# KiCad board nixie_clock_hv.kicad_pcb
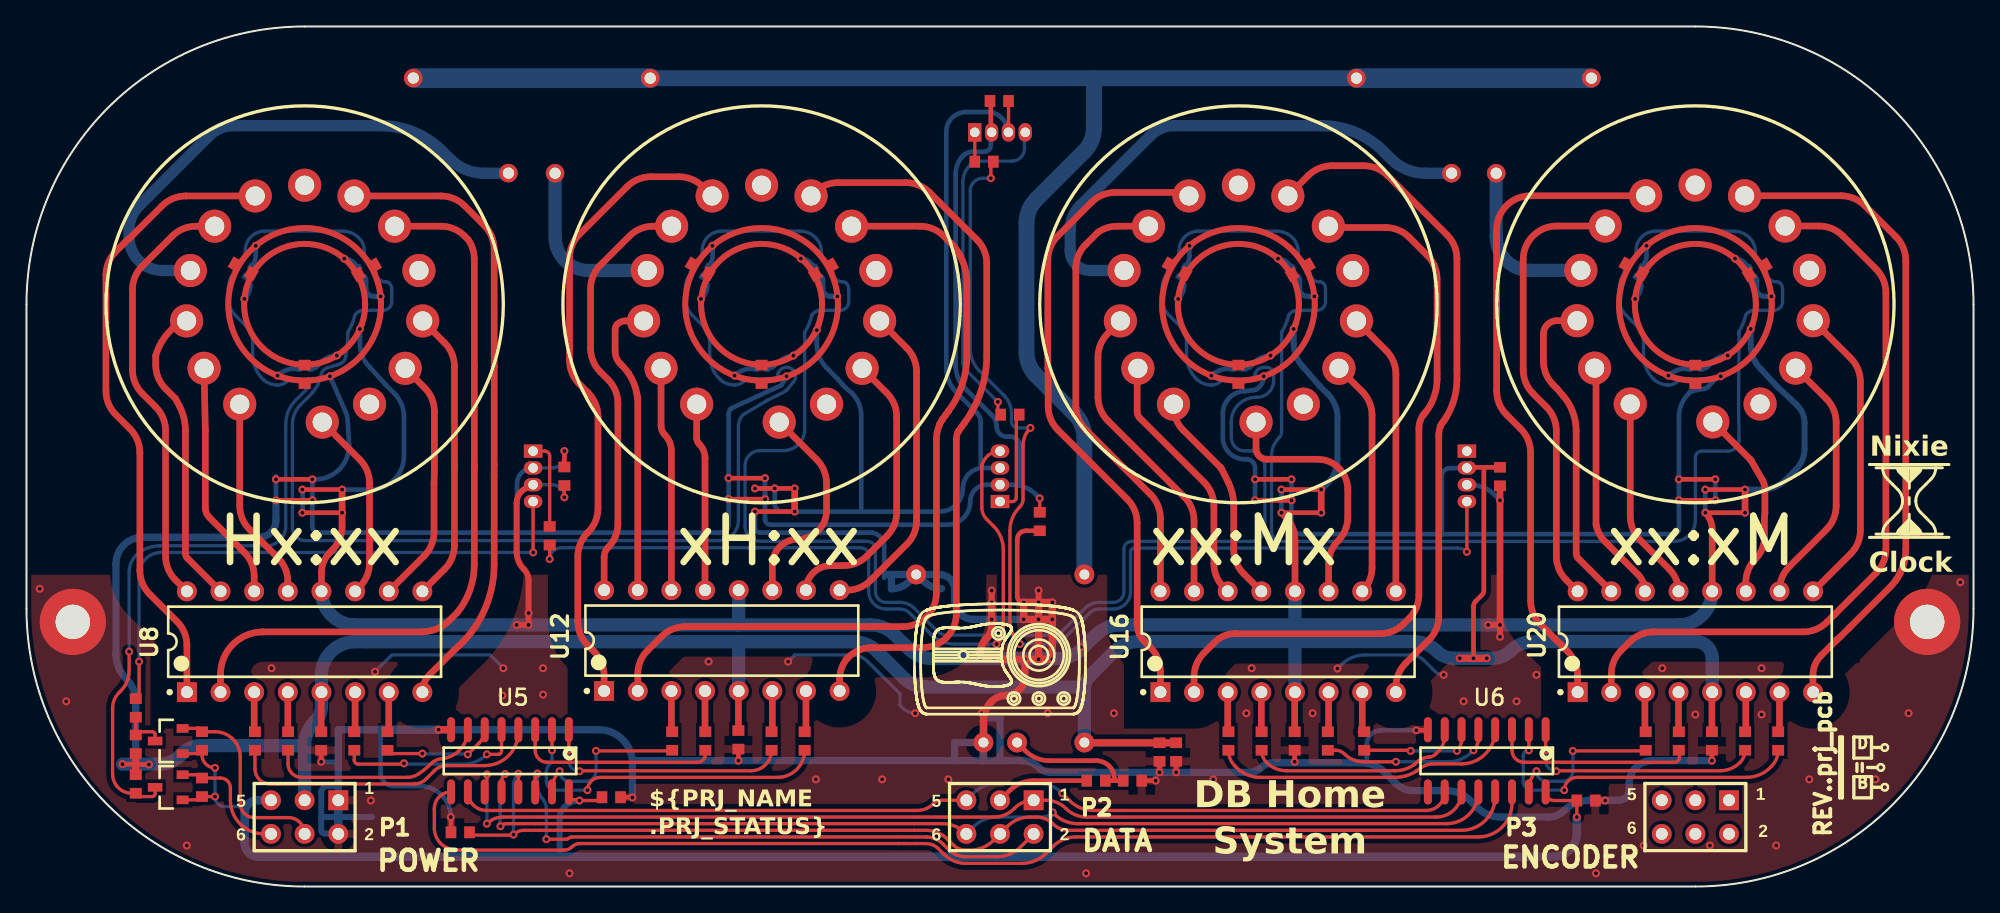
[diagram p0: board, top side]
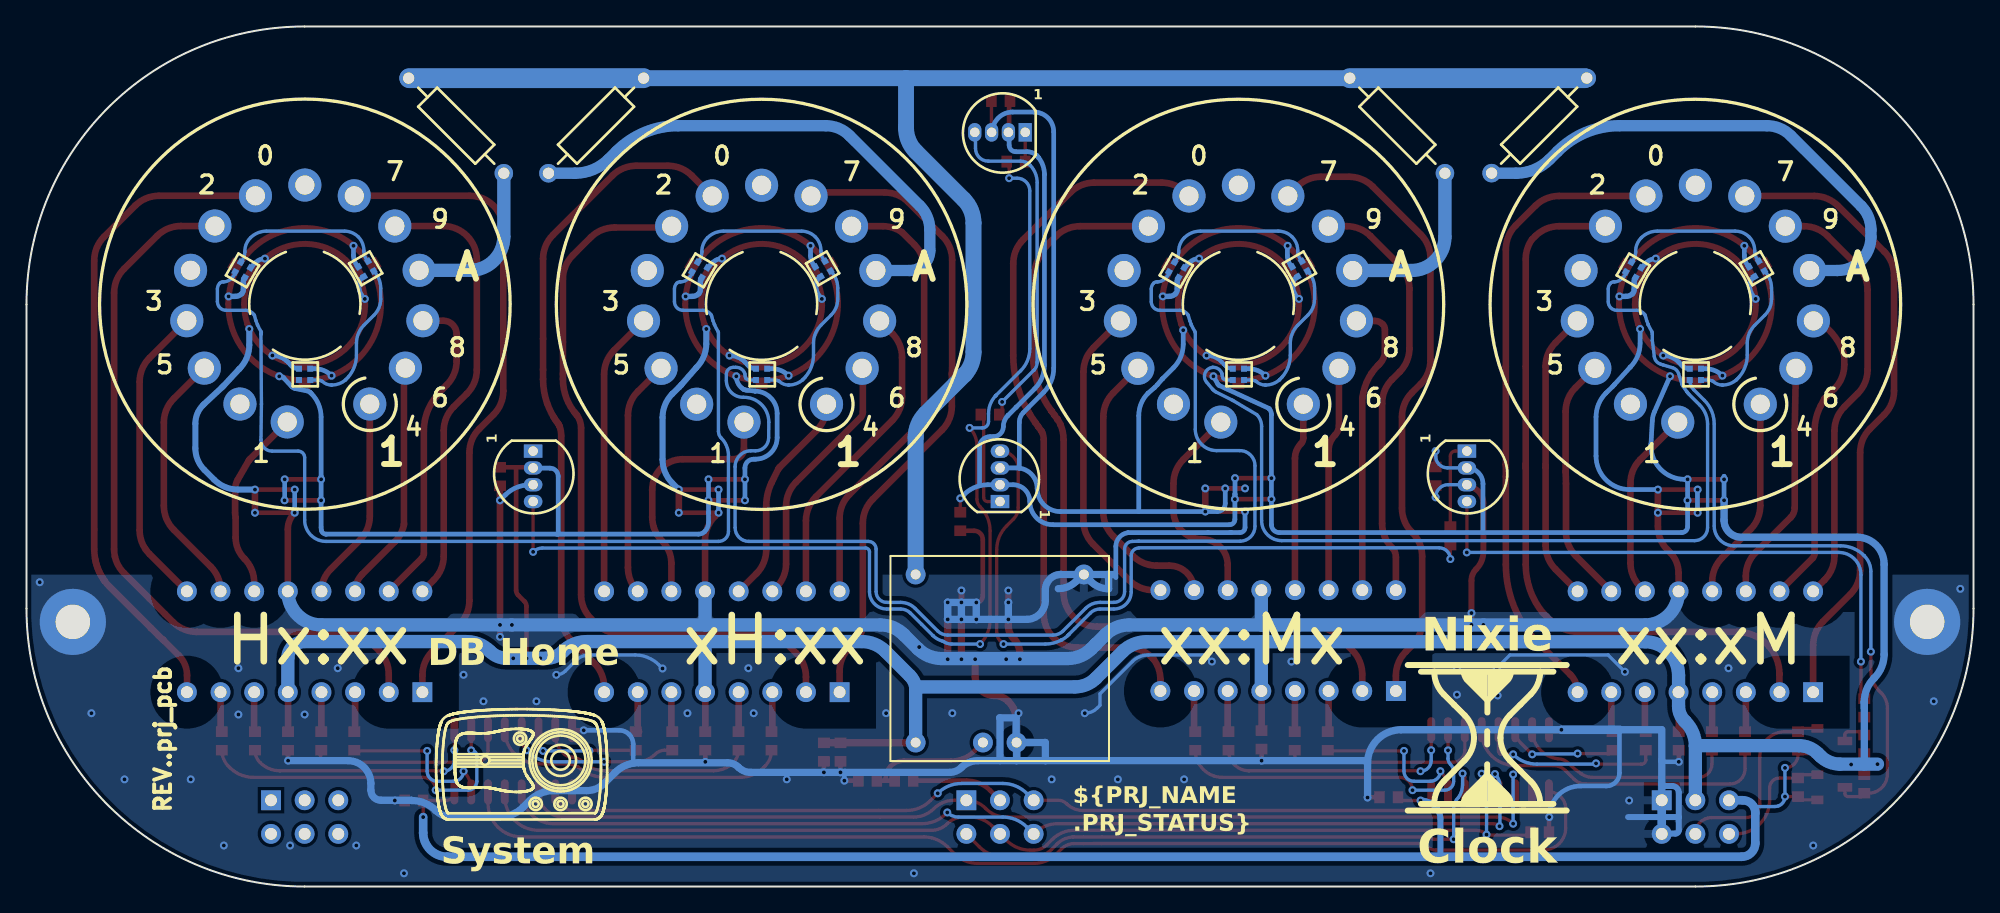
[diagram p1: board, bottom side, seen from below]

Outline 147 x 65 mm; copper layers: Top Layer, In1.Cu, In2.Cu, Bottom Layer. Coordinates in mm from the lower left corner of the outline.
Outline path: 0,44 0,21 ; 0,44 arc(6.15,58.85) 21,65 ; 0,44 arc(6.15,58.85) 21,65 ; 0,44 0,21 ; 0,21 arc(6.15,6.15) 21,0 ; 0,21 arc(6.15,6.15) 21,0 ; 21,65 126,65 ; 21,65 126,65 ; 126,65 arc(140.85,58.85) 147,44 ; 126,65 arc(140.85,58.85) 147,44 ; 21,0 126,0 ; 21,0 126,0 ; 126,0 arc(140.85,6.15) 147,21 ; 126,0 arc(140.85,6.15) 147,21 ; 147,44 147,21 ; 147,44 147,21
Stack: Top Layer 0.035mm / dielectric 0.1mm Core-043 er 4.3 / In1.Cu 0.035mm / dielectric 1.2286mm FR4 er 4.5 / In2.Cu 0.035mm / dielectric 0.1mm FR4 er 4.5 / Bottom Layer 0.035mm

## Placement (name value [footprint] x y rotation side)
C1  100nF  [0603_[1608]]  40.61 31.01 270 top
C2  100nF  [0603_[1608]]  76.5 27.59 270 top
C3  100nF  [0603_[1608]]  73.45 59.37 0 top
C4  100nF  [0603_[1608]]  111.25 30.99 270 top
C5  100nF  [0603_[1608]]  44.15 6.75 180 top
C6  100nF  [0603_[1608]]  117.75 6.5 180 top
C7  10uF  [0603_[1608]]  86.8 10.16 90 top
C8  100nF  [0603_[1608]]  85.55 10.16 90 top
C9  100nF  [0603_[1608]]  22.25 11 90 top
C10  100nF  [0603_[1608]]  25.67 46.61 30 top
C11  100nF  [0603_[1608]]  16.37 46.68 150 top
C12  100nF  [0603_[1608]]  21 38.71 270 top
C13  100nF  [0603_[1608]]  53.75 11.09 90 top
C14  100nF  [0603_[1608]]  60.17 46.61 30 top
C15  100nF  [0603_[1608]]  50.87 46.68 150 top
C16  100nF  [0603_[1608]]  55.5 38.71 270 top
C17  100nF  [0603_[1608]]  95.75 11 90 top
C18  100nF  [0603_[1608]]  96.17 46.61 30 top
C19  100nF  [0603_[1608]]  86.87 46.68 150 top
C20  100nF  [0603_[1608]]  91.5 38.71 270 top
C21  100nF  [0603_[1608]]  127.25 11 90 top
C22  100nF  [0603_[1608]]  130.67 46.61 30 top
C23  100nF  [0603_[1608]]  121.37 46.68 150 top
C24  100nF  [0603_[1608]]  126 38.71 270 top
J3_ xx:xM_Hx:xx  NIXIE_TUBE_SOCKET_14PIN_31MM_THD  [SOCKET_NIXI_TUBE]  21 44 180 bottom
J3_ xx:xM_xH:xx  NIXIE_TUBE_SOCKET_14PIN_31MM_THD  [SOCKET_NIXI_TUBE]  55.5 44 180 bottom
J3_ xx:xM_xx:Mx  NIXIE_TUBE_SOCKET_14PIN_31MM_THD  [SOCKET_NIXI_TUBE]  91.5 44 180 bottom
J3_ xx:xM_xx:xM  NIXIE_TUBE_SOCKET_14PIN_31MM_THD  [SOCKET_NIXI_TUBE]  125.98 44.01 180 bottom
NOREF  -  [unnamed]  3.5 20 0 top
NOREF#2  -  [unnamed#2]  21 62.5 0 top
NOREF#3  -  [unnamed#2]  126 62.5 0 top
NOREF#4  -  [unnamed]  143.5 20 0 top
P1  POWER  [HEADER_2X3_2.54MM_THD]  21 5.25 180 top
P2  DATA  [HEADER_2X3_2.54MM_THD]  73.5 5.25 180 top
P3  ENCODER  [HEADER_2X3_2.54MM_THD]  126 5.25 180 top
Q1  BSS138  [SOT-23]  10.75 11 180 top
Q2  BSS138  [SOT-23]  10.75 7.5 180 top
R1  10k  [0603_[1608]]  13.25 11 90 top
R2  10k  [0603_[1608]]  8.25 10.75 90 top
R3  75R  [0603_[1608]]  39.5 26.51 270 top
R4  75R  [0603_[1608]]  74.25 35.66 180 top
R5  75R  [0603_[1608]]  72.3 54.78 0 top
R6  75R  [0603_[1608]]  8.25 13.5 270 top
R7  10k  [0603_[1608]]  13.25 7.5 90 top
R8  10k  [0603_[1608]]  8.25 7.75 270 top
R9  1k  [0603_[1608]]  48.75 11 270 top
R10  1k  [0603_[1608]]  56.25 11 270 top
R11  1k  [0603_[1608]]  58.75 11 270 top
R12  1k  [0603_[1608]]  51.25 11 270 top
R13  10k  [0603_[1608]]  32.75 4.1 180 top
R14  1k  [0603_[1608]]  17.25 11 270 top
R15  1k  [0603_[1608]]  24.75 11 270 top
R16  1k  [0603_[1608]]  27.25 11 270 top
R17  1k  [0603_[1608]]  19.75 11 270 top
R18  1k  [0603_[1608]]  122.25 11 270 top
R19  1k  [0603_[1608]]  129.75 11 270 top
R20  1k  [0603_[1608]]  132.25 11 270 top
R21  1k  [0603_[1608]]  124.75 11 270 top
R22  1k  [0603_[1608]]  90.75 11 270 top
R23  1k  [0603_[1608]]  98.25 11 270 top
R24  1k  [0603_[1608]]  101 11 270 top
R25  1k  [0603_[1608]]  93.25 11 270 top
R26  10k  [0603_[1608]]  83.5 8 180 top
R27  22k  [AXIAL 10mm]  32.79 57.51 135 bottom
R28  22k  [AXIAL 10mm]  43.5 57.5 45 bottom
R29  22k  [AXIAL 10mm]  104 57.5 135 bottom
R30  22k  [AXIAL 10mm]  114.55 57.5 45 bottom
R31  33R  [0603_[1608]]  80.75 8 180 top
U1  WS2812D  [R5_RGB_LED_THD]  38.25 31 90 bottom
U2  WS2812D  [R5_RGB_LED_THD]  73.5 31 270 bottom
U3  WS2812D  [R5_RGB_LED_THD]  73.5 57 180 bottom
U4  WS2812D  [R5_RGB_LED_THD]  108.75 31 90 bottom
U5  SN74HC595D  [soic16]  36.5 9.5 270 top
U6  SN74HC595D  [soic16]  110.25 9.5 270 top
U7  BootModule_3-9V_170V  [BOOSTMODULE]  73.52 17.23 90 bottom
U8  K155ID1  [DIP-16_THD]  21 18.5 90 top
U9  WS2812  [LED_PLCC_RGB_4P_1010]  21 38.71 270 bottom
U10  WS2812  [LED_PLCC_RGB_4P_1010]  16.37 46.68 150 bottom
U11  WS2812  [LED_PLCC_RGB_4P_1010]  25.67 46.61 30 bottom
U12  K155ID1  [DIP-16_THD]  52.5 18.59 90 top
U13  WS2812  [LED_PLCC_RGB_4P_1010]  55.5 38.71 270 bottom
U14  WS2812  [LED_PLCC_RGB_4P_1010]  50.87 46.68 150 bottom
U15  WS2812  [LED_PLCC_RGB_4P_1010]  60.17 46.61 30 bottom
U16  K155ID1  [DIP-16_THD]  94.5 18.5 90 top
U17  WS2812  [LED_PLCC_RGB_4P_1010]  91.5 38.71 270 bottom
U18  WS2812  [LED_PLCC_RGB_4P_1010]  86.87 46.68 150 bottom
U19  WS2812  [LED_PLCC_RGB_4P_1010]  96.17 46.61 30 bottom
U20  K155ID1  [DIP-16_THD]  126 18.5 90 top
U21  WS2812  [LED_PLCC_RGB_4P_1010]  126 38.71 270 bottom
U22  WS2812  [LED_PLCC_RGB_4P_1010]  121.37 46.68 150 bottom
U23  WS2812  [LED_PLCC_RGB_4P_1010]  130.67 46.61 30 bottom

## Footprints (pads in the part's own frame, mm; a bottom-side part is the same pattern mirrored in y, then rotated)
0603_[1608]
  rect 0.8x0.9 smd: 1(-0.7,0) 2(0.7,0)
AXIAL 10mm
  round 1.4 hole 0.85: 1(-5.08,0) 2(5.08,0)
BOOSTMODULE
  round 1.5 hole 0.75: 1(-6.35,6.35) 2(-6.35,1.27) 3(-6.35,-1.27) 4(6.35,-6.35) 5(6.35,6.35)
DIP-16_THD
  rect 1.5x1.5 hole 0.9: 1(-3.81,8.89)
  round 1.5 hole 0.9: 2(-3.81,6.35) 3(-3.81,3.81) 4(-3.81,1.27) 5(-3.81,-1.27) 6(-3.81,-3.81) 7(-3.81,-6.35) 8(-3.81,-8.89) 9(3.81,-8.89) 10(3.81,-6.35) 11(3.81,-3.81) 12(3.81,-1.27) 13(3.81,1.27) 14(3.81,3.81) 15(3.81,6.35) 16(3.81,8.89)
HEADER_2X3_2.54MM_THD
  rect 1.5x1.5 hole 0.9: 1(-2.54,-1.27)
  round 1.5 hole 0.9: 2(-2.54,1.27) 3(0,-1.27) 4(0,1.27) 5(2.54,-1.27) 6(2.54,1.27)
LED_PLCC_RGB_4P_1010
  rect 0.45x0.45 smd: 1(-0.425,0.425) 2(0.425,0.425) 3(-0.425,-0.425) 4(0.425,-0.425)
R5_RGB_LED_THD
  rect 1x1.4 hole 0.72: 1(1.905,0)
  oval 1x1.4 hole 0.72: 2(0.635,0) 3(-0.635,0) 4(-1.905,0)
SOCKET_NIXI_TUBE
  round 0.001 hole 7 unplated: (0,0)
  round 2.5 hole 1.45: 1(4.902,-7.548) 2(7.591,-4.836) 3(8.912,-1.253) 4(8.629,2.556) 5(6.792,5.905) 6(3.732,8.19) 7(0,9) 8(-3.732,8.19) 9(-6.792,5.905) 10(-8.629,2.556) 11(-8.912,-1.253) 12(-7.591,-4.836) 13(-4.902,-7.548) 14(-1.33,-8.901)
soic16
  oval 1.9x0.6 smd: 1(-2.35,4.445) 2(-2.35,3.175) 3(-2.35,1.905) 4(-2.35,0.635) 5(-2.35,-0.635) 6(-2.35,-1.905) 7(-2.35,-3.175) 8(-2.35,-4.445) 9(2.35,-4.445) 10(2.35,-3.175) 11(2.35,-1.905) 12(2.35,-0.635) 13(2.35,0.635) 14(2.35,1.905) 15(2.35,3.175) 16(2.35,4.445)
SOT-23
  rect 0.9x0.65 smd: 1(-1.038,0.95) 2(-1.038,-0.95)
  rect 1.1x0.65 smd: 3(1.038,0)
unnamed
  round 5 hole 2.6: hole(0,0)
unnamed#2
  round 0.001 hole 2.6: hole(0,0)

## Nets
+3.3V: C5.2 C6.2 P1.5 Q1.1 Q2.1 R1.1 R7.1 U5.16 U6.16
+5V: C1.1 C2.1 C3.1 C4.1 C7.2 C8.2 C9.2 C10.2 C11.2 C12.2 C13.2 C14.2 C15.2 C16.2 C17.2 C18.2 C19.2 C20.2 C21.2 C22.2 C23.2 C24.2 P1.3 R2.1 R8.1 U1.2 U2.2 U3.2 U4.2 U7.1 U8.5 U9.1 U10.1 U11.1 U12.5 U13.1 U14.1 U15.1 U16.5 U17.1 U18.1 U19.1 U20.5 U21.1 U22.1 U23.1
GND: C1.2 C2.2 C3.2 C4.2 C5.1 C6.1 C7.1 C8.1 C9.1 C10.1 C11.1 C12.1 C13.1 C14.1 C15.1 C16.1 C17.1 C18.1 C19.1 C20.1 C21.1 C22.1 C23.1 C24.1 NOREF.hole NOREF#4.hole P1.1 P1.2 R13.2 R26.1 U1.3 U2.3 U3.3 U4.3 U5.8 U6.8 U7.3 U7.4 U8.12 U9.3 U10.3 U11.3 U12.12 U13.3 U14.3 U15.3 U16.12 U17.3 U18.3 U19.3 U20.12 U21.3 U22.3 U23.3
A_Hx:xx: R14.1 U8.3
A_xH:xx: R9.1 U12.3
A_xx:Mx: R22.1 U16.3
A_xx:xM: R18.1 U20.3
B_Hx:xx: R15.1 U8.6
B_xH:xx: R10.1 U12.6
B_xx:Mx: R23.1 U16.6
B_xx:xM: R19.1 U20.6
BACK_LIGHT_DATA: P1.6 Q2.2 R7.2
C_Hx:xx: R16.1 U8.7
C_xH:xx: R11.1 U12.7
C_xx:Mx: R24.1 U16.7
C_xx:xM: R20.1 U20.7
D0_Hx:xx: J3_ xx:xM_Hx:xx.8 U8.8
D0_xH:xx: J3_ xx:xM_xH:xx.8 U12.8
D0_xx:Mx: J3_ xx:xM_xx:Mx.8 U16.8
D0_xx:xM: J3_ xx:xM_xx:xM.8 U20.8
D1_Hx:xx: J3_ xx:xM_Hx:xx.3 U8.15
D1_xH:xx: J3_ xx:xM_xH:xx.3 U12.15
D1_xx:Mx: J3_ xx:xM_xx:Mx.3 U16.15
D1_xx:xM: J3_ xx:xM_xx:xM.3 U20.15
D2_Hx:xx: J3_ xx:xM_Hx:xx.14 U8.11
D2_xH:xx: J3_ xx:xM_xH:xx.14 U12.11
D2_xx:Mx: J3_ xx:xM_xx:Mx.14 U16.11
D2_xx:xM: J3_ xx:xM_xx:xM.14 U20.11
D3_Hx:xx: J3_ xx:xM_Hx:xx.11 U8.9
D3_xH:xx: J3_ xx:xM_xH:xx.11 U12.9
D3_xx:Mx: J3_ xx:xM_xx:Mx.11 U16.9
D3_xx:xM: J3_ xx:xM_xx:xM.11 U20.9
D4_Hx:xx: J3_ xx:xM_Hx:xx.1 U8.13
D4_xH:xx: J3_ xx:xM_xH:xx.1 U12.13
D4_xx:Mx: J3_ xx:xM_xx:Mx.1 U16.13
D4_xx:xM: J3_ xx:xM_xx:xM.1 U20.13
D5_Hx:xx: J3_ xx:xM_Hx:xx.12 U8.10
D5_xH:xx: J3_ xx:xM_xH:xx.12 U12.10
D5_xx:Mx: J3_ xx:xM_xx:Mx.12 U16.10
D5_xx:xM: J3_ xx:xM_xx:xM.12 U20.10
D6_Hx:xx: J3_ xx:xM_Hx:xx.2 U8.14
D6_xH:xx: J3_ xx:xM_xH:xx.2 U12.14
D6_xx:Mx: J3_ xx:xM_xx:Mx.2 U16.14
D6_xx:xM: J3_ xx:xM_xx:xM.2 U20.14
D7_Hx:xx: J3_ xx:xM_Hx:xx.6 U8.1
D7_xH:xx: J3_ xx:xM_xH:xx.6 U12.1
D7_xx:Mx: J3_ xx:xM_xx:Mx.6 U16.1
D7_xx:xM: J3_ xx:xM_xx:xM.6 U20.1
D8_Hx:xx: J3_ xx:xM_Hx:xx.9 U8.2
D8_xH:xx: J3_ xx:xM_xH:xx.9 U12.2
D8_xx:Mx: J3_ xx:xM_xx:Mx.9 U16.2
D8_xx:xM: J3_ xx:xM_xx:xM.9 U20.2
D9_Hx:xx: J3_ xx:xM_Hx:xx.5 U8.16
D9_xH:xx: J3_ xx:xM_xH:xx.5 U12.16
D9_xx:Mx: J3_ xx:xM_xx:Mx.5 U16.16
D9_xx:xM: J3_ xx:xM_xx:xM.5 U20.16
D_Hx:xx: R17.1 U8.4
D_xH:xx: R12.1 U12.4
D_xx:Mx: R25.1 U16.4
D_xx:xM: R21.1 U20.4
FRONT_LIGHT_DATA: P1.4 Q1.2 R1.2
HV: R27.2 R28.2 R29.2 R30.2 U7.5
HV_ENABLE: R26.2 R31.1 U7.2
LED_DATA_OUT_Hx:xx: U11.2 U13.4
LED_DATA_OUT_xH:xx: U15.2 U17.4
LED_DATA_OUT_xx:Mx: U19.2 U23.2
NetJ3_ xx:xM_Hx:xx_4: J3_ xx:xM_Hx:xx.4 R27.1
NetJ3_ xx:xM_xH:xx_4: J3_ xx:xM_xH:xx.4 R28.1
NetJ3_ xx:xM_xx:Mx_4: J3_ xx:xM_xx:Mx.4 R29.1
NetJ3_ xx:xM_xx:xM_4: J3_ xx:xM_xx:xM.4 R30.1
NetP2_3: P2.3 R31.2
NetQ1_3: Q1.3 R2.2 R6.2
NetQ2_3: Q2.3 R8.2 U9.4
NetR3_1: R3.1 U1.1
NetR3_2: R3.2 U2.4
NetR4_1: R4.1 U2.1
NetR4_2: R4.2 U3.4
NetR5_1: R5.1 U3.1
NetR5_2: R5.2 U4.4
NetR6_1: R6.1 U1.4
NetR9_2: R9.2 U5.15
NetR10_2: R10.2 U5.1
NetR11_2: R11.2 U5.2
NetR12_2: R12.2 U5.3
NetR14_2: R14.2 U5.4
NetR15_2: R15.2 U5.5
NetR16_2: R16.2 U5.6
NetR17_2: R17.2 U5.7
NetR18_2: R18.2 U6.15
NetR19_2: R19.2 U6.1
NetR20_2: R20.2 U6.2
NetR21_2: R21.2 U6.3
NetR22_2: R22.2 U6.4
NetR23_2: R23.2 U6.5
NetR24_2: R24.2 U6.6
NetR25_2: R25.2 U6.7
NetU5_9: U5.9 U6.14
NetU9_2: U9.2 U10.4
NetU10_2: U10.2 U11.4
NetU13_2: U13.2 U14.4
NetU14_2: U14.2 U15.4
NetU17_2: U17.2 U18.4
NetU18_2: U18.2 U19.4
NetU21_2: U21.2 U22.4
NetU21_4: U21.4
NetU22_2: U22.2 U23.4
SIPO_CLK: P2.1 U5.11 U6.11
SIPO_CLR: P2.5 U5.10 U6.10
SIPO_DATA: P2.2 U5.14
SIPO_OE: P2.4 R13.1 U5.13 U6.13
SIPO_RCLK: P2.6 U5.12 U6.12

Pads without a net: J3_ xx:xM_Hx:xx 7 10 13; J3_ xx:xM_xH:xx 7 10 13; J3_ xx:xM_xx:Mx 7 10 13; J3_ xx:xM_xx:xM 7 10 13; NOREF#2 hole; NOREF#3 hole; P3 1 2 3 4 5 6; U4 1; U6 9

## Via types
v1: diameter 0.6, hole 0.3, Top Layer to Bottom Layer, 194 vias

## Routing (per net, layer and track width the routed paths; a pad name or vN(x,y) marks a point on that pad's centre or on a via; arc(x,y) is an arc through that point)
+3.3V: length 130.3
  Top Layer w0.25: Q1.1 13,10.05 ; v1(117.05,5.25) C6.2 115.35,6.5 arc(114.89,6.69) U6.16 ; 43.3,6.5 v1(41.75,6.5) 41.69,6.56 41.11,6.56 40.95,6.72 U5.16 ; R7.1 v1(14.23,6.8) ; Q2.1 13,6.55 ; R1.1 13.25,9.95 arc(13.54,9.26) v1(14.23,8.97)
  Bottom Layer w0.25: v1(14.23,8.97) v1(14.23,6.8) arc(14.37,6.37) 14.74,6.09 arc(14.86,6.06) 14.99,6.05 16.48,6.05
  Bottom Layer w0.45: 40.25,2.25 40.25,5.13 arc(40.34,5.6) 40.61,6 40.66,6.05 arc(41.16,6.38) v1(41.75,6.5)
  Bottom Layer w0.65: P1.5 17.42,6.52 arc(16.75,6.24) 16.48,5.58 16.48,3.27 arc(16.78,2.55) 17.5,2.25 115.24,2.25 arc(116.52,2.78) 117.05,4.06 v1(117.05,5.25)
+5V: length 612.2
  Top Layer w0.25: C2.1 v1(76.5,29.34)
  Top Layer w0.35: v1(124.76,29.19) 127.48,29.19 ; 53.04,30.86 v1(55.76,30.86) ; v1(18.84,29.19) 21.56,29.19 ; C20.2 91.5,38.24 ; 92.79,30.78 v1(95.51,30.78) ; 72.81,57 72.81,59.3 arc(72.79,59.35) C3.1 ; v1(9.24,9.22) 8.24,9.22 ; 124.79,30.78 v1(127.51,30.78) ; v1(92.76,29.19) 95.48,29.19 ; 110.03,31.68 108.81,31.68 arc(108.77,31.67) 108.75,31.62 ; 110.03,31.68 110.03,22.37 arc(110,22.2) 109.9,22.05 109.41,21.56 arc(109.29,21.38) 109.25,21.17 v1(109.25,17.25) ; 110.03,31.68 C4.1 ; C12.2 21,38.24 ; v1(53.01,29.28) 55.73,29.28 ; v1(40.61,32.91) C1.1 arc(40.54,31.66) 40.45,31.64 ; C16.2 55.5,38.24 ; v1(7.25,9.25) 8.25,9.25 ; 18.87,30.78 v1(21.59,30.78) ; C24.2 126,38.24
  Top Layer w0.45: 55.5,38.24 arc(51.42,48.08) 61.26,44 arc(59.58,39.92) 55.5,38.24 ; 26.76,44 arc(25.08,39.92) 21,38.24 arc(16.92,48.08) 26.76,44 ; 131.76,44 arc(130.08,39.92) 126,38.24 arc(121.92,48.08) 131.76,44 ; 97.26,44 arc(95.58,39.92) 91.5,38.24 arc(87.42,48.08) 97.26,44
  Top Layer w0.5: C13.2 53.75,14.73 arc(53.76,14.76) U12.5 ; C9.2 22.25,14.64 arc(22.26,14.67) U8.5 ; C17.2 95.75,14.64 arc(95.76,14.67) U16.5 ; C21.2 127.25,14.64 arc(127.26,14.67) U20.5
  Top Layer w0.55: v1(108.21,17.25) v1(109.25,17.25) v1(110.25,17.25) ; C7.2 C8.2 79.89,10.86 ; R8.1 R2.1
  Bottom Layer w0.25: 38.24,31.64 39.72,31.64 arc(40.35,31.9) 40.61,32.53 v1(40.61,32.91)
  Bottom Layer w0.35: v1(122.31,48.42) 122.31,47.69 arc(122.22,47.23) 121.95,46.83 ; 124.76,31 124.76,35.47 arc(124.95,36.44) 125.5,37.27 125.58,37.35 arc(125.66,37.41) 125.76,37.44 126.73,37.64 arc(126.86,37.69) 126.96,37.77 127.59,38.45 arc(127.71,38.53) 127.85,38.56 v1(127.92,38.56) ; 124.76,31 124.75,31.01 ; 124.76,31 v1(124.76,30.78) v1(124.76,29.19) 124.76,27.14 arc(124.75,27.04) 124.74,26.93 arc(124.63,26.72) 124.4,26.63 arc(124.39,26.63) 124.38,26.63 106.97,26.63 ; 55.76,29.66 v1(55.76,30.86) ; 55.76,29.66 55.77,29.66 v1(55.77,29.28) 55.77,27.75 arc(55.88,27.46) 56.17,27.34 69.5,27.34 arc(70.74,27.86) 71.25,29.1 arc(71.62,29.99) 72.52,30.37 U2.2 74.42,30.37 arc(74.73,30.35) 75.04,30.29 ; 55.76,29.66 55.76,29.28 ; 75.04,30.29 75.04,33.21 arc(74.81,33.77) 74.25,34 74,34 arc(73.47,34.22) 73.25,34.75 arc(73.16,35.21) 72.9,35.6 72.28,36.22 ; 75.04,30.29 arc(75.68,30.03) 76.22,29.62 v1(76.5,29.34) ; 106.97,26.63 106.86,26.63 ; 106.97,26.63 arc(106.89,26.67) 106.86,26.75 ; 37.04,26.75 52.41,26.75 arc(52.83,26.92) 53.01,27.34 v1(53.01,29.28) v1(53.01,30.86) 53.01,35.67 arc(53.04,35.89) 53.15,36.08 53.21,36.14 56.97,37.88 57.04,37.95 v1(57.39,38.56) ; 37.04,26.75 22.04,26.75 arc(21.72,26.88) 21.59,27.21 v1(21.59,30.78) 21.81,30.78 arc(23.61,31.52) 24.35,33.32 24.35,33.42 arc(24.35,33.43) 24.35,33.44 24.25,35.21 arc(24.2,35.55) 24.09,35.87 v1(22.91,38.56) ; 37.04,26.75 37.04,30.43 arc(37.39,31.29) 38.24,31.64 ; 106.86,26.75 106.86,31 arc(107.04,31.44) 107.48,31.62 108.75,31.62 ; 106.86,26.75 106.86,26.63 ; 72.28,36.22 70.89,37.61 arc(70.34,38.44) 70.15,39.41 70.15,53.81 arc(70.26,54.48) 70.58,55.07 ; 72.28,36.22 arc(72.27,36.23) 72.26,36.24 ; 127.51,29.19 v1(127.51,30.78) ; 95.51,28.25 v1(95.51,30.78) ; 95.51,28.25 95.52,28.24 ; 95.51,28.25 95.51,27.52 arc(95.58,27.15) 95.79,26.83 arc(96.01,26.68) 96.27,26.63 106.86,26.63 ; 51.8,48.42 51.8,47.69 arc(51.71,47.23) U14.1 ; U13.1 54.72,39.13 arc(54.04,39) v1(53.46,38.61) ; v1(18.84,29.19) v1(18.84,30.78) 18.84,31 18.83,31.01 ; 72.81,57 72.81,56.03 arc(72.66,55.68) 72.31,55.53 71.45,55.53 arc(71.07,55.47) 70.75,55.27 ; v1(92.76,29.19) v1(92.76,30.78) 92.76,31.64 arc(92.56,32.11) 92.1,32.3 91.96,32.3 arc(90.81,32.78) 90.33,33.93 90.33,35.75 arc(90.81,36.93) 91.98,37.44 arc(91.99,37.44) 92.01,37.44 92.54,37.51 arc(92.61,37.51) 92.68,37.52 arc(92.76,37.53) 92.83,37.56 92.84,37.57 arc(92.91,37.61) 92.98,37.66 arc(93.3,38.06) v1(93.41,38.56) ; U17.1 90.72,39.13 arc(90.04,39) v1(89.46,38.61) ; v1(17.3,48.42) 17.3,47.69 arc(17.21,47.23) U10.1 ; 18.82,27.24 18.84,27.25 ; v1(87.8,48.42) 87.8,47.69 arc(87.71,47.23) U18.1 ; U9.1 20.22,39.13 arc(19.54,39) v1(18.96,38.61) ; 125.58,39.13 125.23,39.13 arc(124.54,39) v1(123.97,38.61) ; 70.58,55.07 arc(70.66,55.17) 70.75,55.27 ; 70.58,55.07 arc(70.66,55.18) 70.75,55.27
  Bottom Layer w0.4: v1(97.24,44.6) 96.73,44.6 arc(96.47,44.65) 96.25,44.8 arc(96.15,44.95) 96.12,45.12 96.12,45.77 arc(96.09,45.91) U19.1 ; 61.24,44.6 v1(61.21,44.6) 60.73,44.6 arc(60.47,44.65) 60.25,44.8 arc(60.15,44.95) 60.12,45.12 60.12,45.77 arc(60.09,45.91) U15.1 ; v1(26.74,44.6) 26.23,44.6 arc(25.97,44.65) 25.75,44.8 arc(25.65,44.95) 25.62,45.12 25.62,45.77 arc(25.59,45.91) U11.1 ; v1(131.74,44.6) 131.24,44.6 arc(130.98,44.65) 130.76,44.8 arc(130.66,44.95) 130.62,45.12 130.62,45.77 arc(130.6,45.91) 130.52,46.03
  Bottom Layer w0.55: v1(18.84,29.19) 18.84,27.69 arc(18.46,26.78) 17.54,26.4 ; 8.25,13.5 8.25,13.95 arc(8.06,14.92) 7.51,15.74 7.49,15.76 arc(6.94,16.58) 6.75,17.55 6.75,24.36 arc(7.35,25.8) 8.79,26.4 17.39,26.4 ; 8.24,9.25 8.24,13.96
  Bottom Layer w1: v1(7.25,9.25) 10.08,9.25 arc(10.88,9.41) 11.57,9.87 11.75,10.05 arc(12.41,10.49) 13.19,10.65 21,10.65 ; U20.5 127.27,17.25 arc(126.9,18.14) 126.01,18.51 113.8,18.51 arc(112.82,18.32) 112,17.77 arc(111.42,17.39) 110.75,17.25 v1(110.25,17.25) 108.45,17.25 ; 95.75,18.51 104.7,18.51 arc(105.68,18.32) 106.5,17.77 arc(107.08,17.39) 107.75,17.25 v1(108.21,17.25) ; 95.75,18.51 83.94,18.51 arc(82.97,18.32) 82.14,17.77 80.31,15.94 arc(80.02,15.54) 79.87,15.08 U7.1 ; 95.75,18.51 arc(95.76,18.49) 95.77,18.47 U16.5 ; 53.75,18.5 24.81,18.5 arc(23.01,17.76) 22.27,15.96 U8.5 ; 53.75,18.5 62.45,18.5 arc(63.42,18.31) 64.24,17.76 66.26,15.74 arc(66.98,15.26) 67.84,15.09 79.87,15.09 ; 53.75,18.5 arc(53.76,18.48) 53.77,18.45 U12.5 ; 21,10.65 P1.3 ; 21,10.65 arc(21.19,11.62) 21.74,12.44 21.8,12.5 arc(22.15,13.02) 22.27,13.63 U8.5 ; U8.5 arc(22.26,14.7) 22.25,14.71
  vias: v1(21.59,29.19) v1(51.78,48.42) v1(95.52,29.19) v1(127.52,29.19)
GND: length 741.8
  Top Layer w0.25: C3.2 74.15,57.07 arc(74.13,57.02) 74.08,57 ; v1(40.61,29.42) C1.2
  Top Layer w0.35: C5.1 45.69,6.75 arc(45.72,6.74) v1(45.75,6.72) ; v1(22.25,9.43) C9.1 ; v1(85.55,8.63) C8.1 ; v1(86.8,8.63) C7.1 ; C2.2 75.46,26.89 arc(74.99,26.69) 74.8,26.23 74.8,21.96 arc(74.94,21.61) v1(75.29,21.47) ; v1(126.75,30) v1(129.75,30) ; v1(95.75,9.43) C17.1 ; C6.1 v1(119.19,6.5) ; v1(94.75,28.25) v1(97.75,28.25) ; v1(55,28.34) v1(58,28.34) ; R26.1 v1(85.25,8) ; v1(56.49,30.09) v1(55,30.09) v1(58,30.09) ; v1(94.75,30) v1(97.75,30) ; v1(127.25,9.51) 127.25,10.39 ; R13.2 32.05,5.21 arc(32.05,5.23) v1(32.03,5.25) ; v1(104.93,11.81) 105.71,11.81 arc(105.76,11.82) U6.8 ; v1(126.75,28.25) v1(129.75,28.25) ; v1(20.83,30) v1(23.83,30) ; v1(53.75,9.51) C13.1 ; v1(20.83,28.25) v1(23.83,28.25)
  Top Layer w0.45: v1(111.25,18.87) v1(111.25,19.77) v1(110.35,19.77) ; v1(37.01,19.77) v1(37.91,19.77) v1(37.91,20.67) 37.91,23.13 arc(37.81,23.59) 37.55,23.98 arc(37.15,24.59) 37.01,25.3 37.01,28.98 arc(37.37,29.86) 38.26,30.23 ; v1(72.87,21.47) v1(72.87,22.37) ; v1(76.41,21.47) v1(76.41,22.37) ; 96.07,44 arc(96,43.24) 95.81,42.49 arc(87,44.76) 96.07,44 ; 25.57,44 arc(25.5,43.24) 25.31,42.49 arc(16.5,44.76) 25.57,44 ; 130.31,42.49 arc(121.5,44.76) 130.57,44 arc(130.5,43.24) 130.31,42.49 ; 59.81,42.49 arc(51,44.76) 60.07,44 arc(60,43.24) 59.81,42.49
  Top Layer w0.5: 127.27,22.33 127.27,26.99 arc(127.13,27.67) v1(126.75,28.25) ; v1(58,28.34) v1(58,30.09) ; v1(129.75,28.25) v1(129.75,30) ; U8.12 22.27,23.7 arc(22.44,24.54) 22.91,25.25 23.08,25.42 arc(23.63,26.25) 23.83,27.22 v1(23.83,28.25) v1(23.83,30) ; v1(111.25,19.77) C4.2 ; U16.12 95.77,26.18 arc(95.58,27.15) 95.03,27.97 v1(94.75,28.25) ; v1(97.75,28.25) v1(97.75,30)
  Top Layer w0.55: v1(76.41,20.19) v1(75.29,20.19) v1(75.29,21.47) 75.29,21.47 v1(76.41,21.47) ; v1(76.41,20.19) v1(76.41,21.47) ; v1(76.41,20.19) v1(76.41,17.18) ; v1(76.41,20.19) v1(77.45,20.19) ; v1(75.38,17.18) 75.38,15.88 arc(74.95,14.86) 73.93,14.44 arc(73.36,14.32) 72.87,14 arc(72.41,13.31) 72.25,12.49 72.25,12.49 U7.3 ; v1(75.38,17.18) v1(73.04,17.18) v1(72,17.18) 72,17.58 arc(72.13,18.23) 72.5,18.78 arc(72.77,19.19) 72.87,19.67 v1(72.87,20.19) v1(72.87,21.47) ; v1(75.38,17.18) v1(76.41,17.18) ; v1(76.41,21.47) v1(77.45,21.47) v1(77.45,20.19) ; v1(77.45,20.19) v1(77.45,17.18) v1(76.41,17.18) ; v1(31.12,11.85) U5.8
  Bottom Layer w0.25: 38.24,30.37 39.65,30.37 arc(40.33,30.09) v1(40.61,29.42) ; v1(57.5,17) 58,17.5 62.3,17.5 arc(62.96,17.37) 63.51,17 65.95,14.56 65.95,13.7 66.16,13.49 arc(66.59,13.2) v1(67.1,13.1) ; v1(98.98,16.48) 99.26,16.76 arc(100.08,17.31) 101.05,17.5 104.5,17.5 arc(105.05,17.39) 105.52,17.08 106.32,16.28 arc(106.63,16.07) v1(107,16) ; v1(26.32,16.23) 27.59,17.5 35,17.5 v1(36,16.5)
  Bottom Layer w0.3: 55.9,39.13 55.95,39.13 ; U13.3 55.98,39.13 arc(56.15,39.16) 56.32,39.21 arc(56.39,39.26) 56.45,39.32 arc(56.48,39.35) 56.51,39.39 arc(56.54,39.43) 56.58,39.46 arc(56.58,39.46) 56.59,39.47 56.77,39.65 arc(57.3,40) 57.93,40.13
  Bottom Layer w0.35: 26.73,11.85 26.73,8.58 arc(27.02,7.88) 27.71,7.6 29.69,7.6 arc(31.35,6.91) v1(32.03,5.25) ; 126.43,39.13 126.48,39.13 arc(126.66,39.16) 126.82,39.21 arc(126.89,39.26) 126.95,39.32 arc(126.98,39.35) 127.02,39.39 arc(127.05,39.43) 127.09,39.46 arc(127.09,39.46) 127.09,39.47 127.27,39.65 arc(127.81,40) v1(128.44,40.13) ; 63.02,28.34 v1(58,28.34) 57.1,28.34 arc(56.67,28.52) 56.49,28.94 v1(56.49,30.09) ; 63.02,28.34 63.02,35.6 arc(62.84,36.51) 62.33,37.28 ; 63.02,28.34 68.95,28.34 arc(70.18,28.85) 70.7,30.09 arc(71.08,31.11) 72.04,31.62 ; 126.76,30.01 v1(126.75,30) v1(126.75,28.25) ; 57.79,26.74 56.17,26.74 arc(56.12,26.75) 56.08,26.75 arc(56.06,26.75) 56.05,26.75 55.39,26.75 arc(55.11,26.86) 55,27.14 v1(55,28.34) ; 57.79,26.74 63.83,26.74 63.83,26.74 arc(64.49,26.39) 64.75,25.7 64.75,23.36 arc(64.82,23.52) 64.98,23.58 ; 57.79,26.74 arc(57.81,26.74) 57.83,26.74 ; v1(104.93,11.81) 102.25,11.81 arc(101.84,11.73) 101.5,11.5 arc(101.27,11.16) 101.19,10.75 101.19,9.32 ; U15.3 59.18,47.17 arc(58.86,47.38) 58.49,47.46 ; 130.09,46.76 129.68,47.17 arc(129.37,47.38) v1(129,47.46) ; v1(25.17,42.14) 25.17,41.05 arc(25.37,40.08) 25.92,39.25 25.92,39.25 arc(25.92,39.25) 25.93,39.24 27.11,37.93 arc(27.18,37.86) 27.24,37.79 27.75,37.29 arc(27.75,37.29) 27.75,37.29 ; U2.3 72.24,31.64 arc(72.14,31.63) 72.04,31.62 ; 50.95,44.41 51,44.46 arc(51.3,44.9) 51.4,45.42 arc(51.33,45.76) 51.14,46.04 arc(51.09,46.08) U14.3 ; v1(16.45,44.41) 16.5,44.46 arc(16.8,44.9) 16.9,45.42 arc(16.83,45.76) 16.64,46.04 arc(16.59,46.08) U10.3 ; v1(85.25,8) 85.25,8.47 arc(85.23,8.56) 85.19,8.63 ; U11.3 24.68,47.17 arc(24.36,47.38) v1(23.99,47.46) ; v1(111.25,29.19) 110.83,29.61 arc(110.01,30.16) 109.04,30.35 108.75,30.35 ; v1(23.83,30) 25.96,30 arc(27.76,30.74) 28.5,32.54 28.5,35.49 arc(28.31,36.46) 27.76,37.29 ; 72.04,31.62 72.04,31.62 ; 72.04,31.62 72.04,35.09 arc(71.97,35.48) 71.74,35.82 70.19,37.37 arc(69.64,38.19) 69.45,39.17 69.45,57.03 arc(69.88,58.09) 70.95,58.53 72.55,58.53 arc(73.63,58.08) 74.08,57 ; U19.3 95.18,47.17 arc(94.86,47.38) v1(94.49,47.46) ; U17.3 91.98,39.13 arc(92.15,39.16) 92.32,39.21 arc(92.39,39.26) 92.45,39.32 arc(92.48,39.35) 92.51,39.39 arc(92.54,39.43) 92.58,39.46 arc(92.58,39.46) 92.59,39.47 92.77,39.65 arc(93.3,40) v1(93.93,40.13) ; 94.76,30.01 v1(94.75,30) v1(94.75,28.25) ; 20.84,28.33 20.84,30 ; U9.3 21.48,39.13 arc(21.65,39.16) 21.82,39.21 arc(21.89,39.26) 21.95,39.32 arc(21.98,39.35) 22.01,39.39 arc(22.04,39.43) 22.08,39.46 arc(22.08,39.46) 22.09,39.47 22.27,39.65 arc(22.8,40) v1(23.43,40.13) ; v1(86.95,44.41) 87,44.46 arc(87.3,44.9) 87.4,45.42 arc(87.33,45.76) 87.14,46.04 arc(87.09,46.08) U18.3 ; v1(121.46,44.41) 121.51,44.46 arc(121.8,44.9) 121.91,45.42 arc(121.84,45.76) 121.65,46.04 arc(121.59,46.08) 121.53,46.09 ; v1(22.25,9.43) 23.33,9.43 arc(23.44,9.45) 23.54,9.51 ; v1(59.67,42.05) 59.67,40.99 arc(59.86,40.02) 60.41,39.2 61.24,38.37 arc(61.25,38.36) 61.26,38.35 61.63,37.92 arc(61.73,37.81) 61.83,37.71 62.31,37.3 arc(62.32,37.29) 62.33,37.28